# Altium PCB QUADROTOR_PCB.PcbDoc
Units mil, origin at the board's own origin, x right, y up, seen from the top; angles counter-clockwise.
Board outline 1226.03 x 1235.03 mil, 2 copper layers (Top Layer, Bottom Layer); 41 components, 47 nets, 117 pads, 0 vias.
Unrouted connection lines stored in the file: 60.
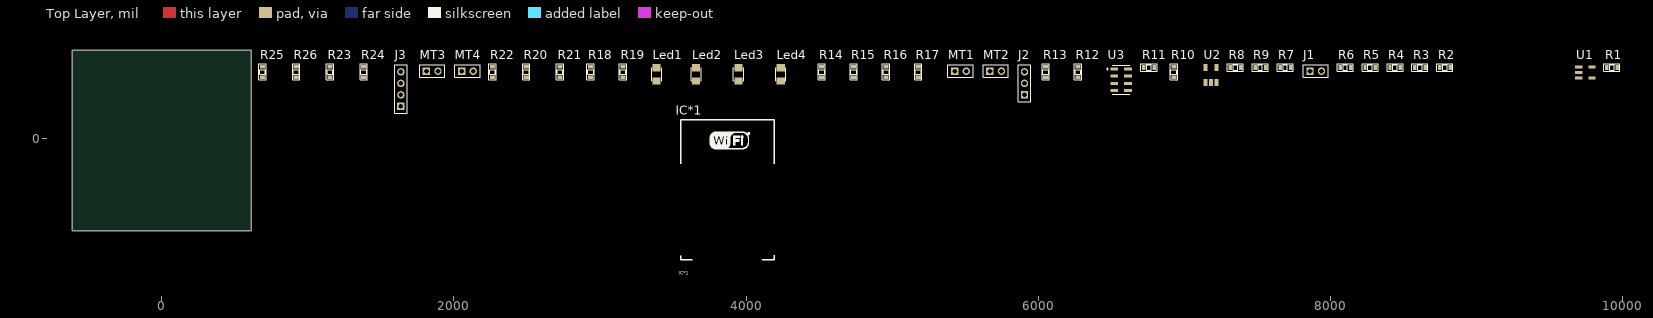
[diagram p0: Top Layer view]
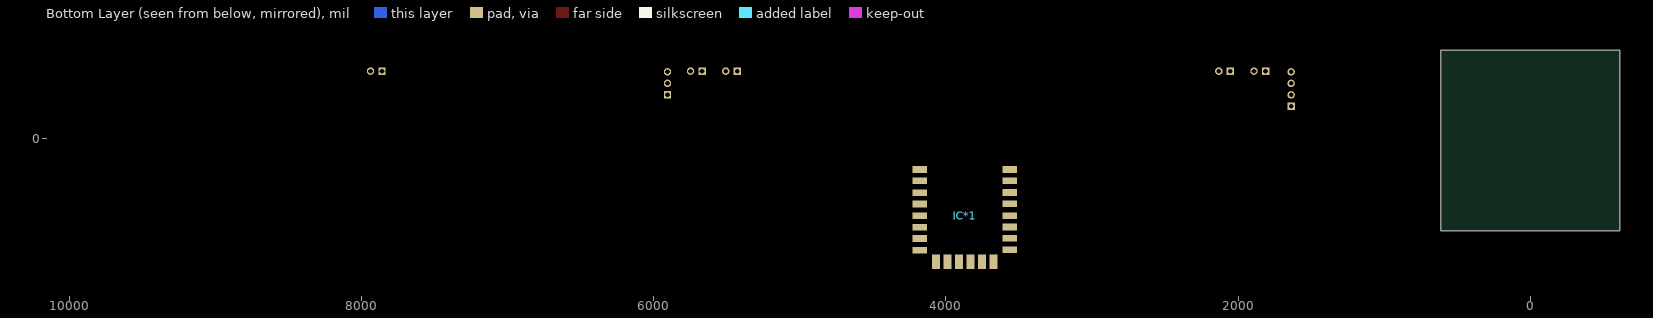
[diagram p1: Bottom Layer view, seen from below]

## Layer stack, top to bottom
Top Solder: solder mask 0.4, Solder Resist, Dk 3.5
Top Layer: signal copper 1.4
Dielectric 1: dielectric 12.6, FR-4, Dk 4.8
Bottom Layer: signal copper 1.4
Bottom Solder: solder mask 0.4, Solder Resist, Dk 3.5

## Board outline
-610.01,-631.01 cw(c-607,-627) -612.01,-627 -612.01,597 cw(c-607,597) -607,602.01 609,602.01 cw(c609,597) 614.01,597 614.01,-628 cw(c609,-628) 609,-633.01 -606,-633.01 cw(c-606,-628)

## Design rules (kind name [scope] priority, off if disabled: settings)
Clearance [All] p1: gap=8
PolygonConnect [All] p1: connectstyle=Relief reliefconductorwidth=10 reliefentries=4 polygonreliefangle="90 Angle" airgapwidth=10
RoomDefinition Sheet1 [InComponentClass('Sheet1')] p1: confinementstyle=ConfineIn formatcopy=TRUE lockcomponents=FALSE outline 659,-578 9986,-578 9986,615 659,615
RoutingVias [All] p1: holewidth=10 width=20 viastyle="Through Hole" minholewidth=10 minwidth=20 maxholewidth=10 maxwidth=20
SolderMaskExpansion [All] p1: expansion=4
Width [All] p1: maxlimit=25 minlimit=10 preferedwidth=16
30 further rules are at their usual default settings.

## Components (designator, comment, footprint, x,y, rotation, side; value= is the part's Value field where it differs from the comment)
IC*1 "ESP8266 ESP-12-E" "ESP8266 ESP-12-E" 4217,-861 r0 top
J1 "Pin3.7V" 62000211121 7898,458 r0 top
J2 "UART" 62000311121 5905,375 r90 top
J3 "ICSP" 62000411121 1638,335 r90 top
Led1 "LED" LED-0805-Red 3388,391 r90 top
Led2 "LED" LED-0805-Red 3658,391 r90 top
Led3 "LED" LED-0805-Red 3948,391 r90 top
Led4 "LED" LED-0805-Red 4237,391 r90 top
MT1 "Coreless820" 62000211121 5467,458 r0 top
MT2 "Coreless820" 62000211121 5708,458 r0 top
MT3 "Coreless820" 62000211121 1852,458 r0 top
MT4 "Coreless820" 62000211121 2093,458 r0 top
R1 "33k/0603" RES-SMD-0603 9924,483 r0 top
R2 "10k/0603" RES-SMD-0603 8782,483 r0 top
R3 "10k/0603" RES-SMD-0603 8611,483 r0 top
R4 "10k/0603" RES-SMD-0603 8441,483 r0 top
R5 "33k/0603" RES-SMD-0603 8270,483 r0 top
R6 "10k/0603" RES-SMD-0603 8100,483 r0 top
R7 "10k/0603" RES-SMD-0603 7689,483 r0 top
R8 "4.7k/0603" RES-SMD-0603 7348,483 r0 top
R9 "4.7k/0603" RES-SMD-0603 7518,483 r0 top
R10 "33k/0603" RES-SMD-0603 6927,453 r90 top
R11 "4.7k/0603" RES-SMD-0603 6757,483 r0 top
R12 "1k/0603" RES-SMD-0603 6271,453 r90 top
R13 "100k" RES-SMD-0603 6050,453 r90 top
R14 "1k" RES-SMD-0603 4517,453 r90 top
R15 "1k" RES-SMD-0603 4737,453 r90 top
R16 "1k" RES-SMD-0603 4958,453 r90 top
R17 "1k" RES-SMD-0603 5178,453 r90 top
R18 "100/0603" RES-SMD-0603 2936,453 r90 top
R19 "100/0603" RES-SMD-0603 3157,453 r90 top
R20 "33k/0603" RES-SMD-0603 2495,453 r90 top
R21 "33k/0603" RES-SMD-0603 2726,453 r90 top
R22 "10k" RES-SMD-0603 2265,453 r90 top
R23 "100/0603" RES-SMD-0603 1152,453 r90 top
R24 "100/0603" RES-SMD-0603 1383,453 r90 top
R25 "33k/0603" RES-SMD-0603 691,453 r90 top
R26 "33k/0603" RES-SMD-0603 922,453 r90 top
U1 "LM27313XMF" SOT95P285X120-5N 9743,449 r0 top
U2 "MIC5205/SPX3819M5" SOT-23-5 7180,431 r0 top
U3 "MS561101BA03-50" SON125P500X300X100-8N 6566,399 r0 top

## Footprints (in the part's own frame and the unit in brackets; to place one, negate y for a bottom-side part, rotate by r counter-clockwise, add the part's x,y. Pads: shape width x height; smd on the part's side, far side on the other; paste and mask are expansions set on the pad)
62000211121 [mm] "Pin Header, pitch 2.00 mm, THT, Vertical, single row, 2p"
  rect 1.3x1.3 hole 0.8: 1(-1,0)
  round 1.3 hole 0.8: 2(1,0)
  silkscreen extent -2.2,-1.07 2.2,1.07, body extent -2,-1 2,1, height 6.05
62000311121 [mm] "Pin Header, pitch 2.00 mm, THT, Vertical, single row, 3p"
  rect 1.3x1.3 hole 0.8: 1(-2,0)
  round 1.3 hole 0.8: 2(0,0) 3(2,0)
  silkscreen extent -3.2,-1.07 3.2,1.07, body extent -3,-1 3,1, height 6.05
62000411121 [mm] "Pin Header, pitch 2.00 mm, THT, Vertical, single row, 4p"
  rect 1.3x1.3 hole 0.8: 1(-3,0)
  round 1.3 hole 0.8: 2(-1,0) 3(1,0) 4(3,0)
  silkscreen extent -4.2,-1.07 4.2,1.07, body extent -4,-1 4,1, height 6.05
"ESP8266 ESP-12-E" [mil] "ESP8266 ESP-12-E"
  rect 100x45 smd far side: 1(-39,646) 2(-39,568) 3(-39,488) 4(-39,410) 5(-39,331) 6(-38,252) 7(-38,174) 8(-38,95) 15(-653,96) 16(-653,175) 17(-653,253) 18(-653,331) 19(-653,411) 20(-653,489) 21(-653,568) 22(-653,646)
  rect 55x100 smd far side: 9(-149,14) 10(-229,14) 11(-307,14) 12(-387,14) 13(-465,14) 14(-543,14)
  silkscreen extent -665,30 -25,985, body extent -661,37 -31,981, height 86
LED-0805-Red [mil]
  rect 50x55 smd: 1(0,0) 2(90,0)
  silkscreen extent 0,-35 90,35, body extent 5,-25 85,25, height 43
RES-SMD-0603 [mm]
  rect 0.6x0.9 smd: 1(-0.889,0) 2(0.927,0)
  silkscreen extent -1.4,-0.64 1.4,0.64, body extent -0.8,-0.4 0.8,0.4, height 0.43
SON125P500X300X100-8N [mm]
  rect 1.31x0.53 smd: 1(-1.2,1.875) 2(-1.2,0.625) 3(-1.2,-0.625) 4(-1.2,-1.875) 5(1.2,-1.875) 6(1.2,-0.625) 7(1.2,0.625) 8(1.2,1.875)
  silkscreen extent -2.48,-2.5 1.5,2.5
SOT95P285X120-5N [mil]
  rect 50x22 smd: 1(-45,38) 2(-45,0) 3(-45,-38) 4(45,-38) 5(45,38)
SOT-23-5 [mm]
  rect 0.69x1.2 smd: 1(-0.95,-1.3) 2(0,-1.3) 3(0.95,-1.3) 4(0.95,1.3) 5(-0.95,1.3)

## Part data
J1 MT1 MT2 MT3 MT4: library part 62000211121, "WR-PHD Pin Header, THT, pitch 2mm, Single Row, Vertical, 2pin"
J2: library part 62000311121, "WR-PHD Pin Header, THT, pitch 2mm, Single Row, Vertical, 3pin"
J3: library part 62000411121, "WR-PHD Pin Header, THT, pitch 2mm, Single Row, Vertical, 4pin"
Led1 Led2 Led3 Led4: library part "LED SMD", "LED SMD0805                Addr:Linhkien69.vn"
R1 R5 R10 R18 R19 R20 R21 R23 R24 R25 R26: library part Res-SMD, "Resistor SMD 33k/0603, Addr:Linhkien69.vn"
R2: library part Res-SMD, "Resistor SMD 10k/0603, Addr:Linhkien69.vn"
R3 R4 R6 R7 R8 R9 R11: library part Res-SMD, "Resistor SMD 4.7k/0603, Addr:Linhkien69.vn"
R12 R14 R15 R16 R17: library part Res-SMD, "Resistor SMD 1k/0603, Addr:Linhkien69.vn"
R13 R22: library part Res-SMD, "Resistor"
U1: "Boost SMD/SOT95,  Addr:Banlinhkien.vn"
U2: library part PMIC-MIC5205-3.3YMSTR(SOT23-5), "3.3V SMD/SOT23,    Addr:Banlinhkien.vn"
U3: "Addr:Banlinhkien.vn"

## Nets (pads, with @x,y where several pads share a name; then routed paths per layer and width w, separated by ;. In a path a pad name is that pad's centre, name@x,y a point inside that pad or via, vN(x,y) a via of type N, cw(c..) or ccw(c..) an arc to the next point about the centre after c; other vN are vias at no path point)
3V3: IC*1.8 J3.2 R3.2 R4.2 R6.1 R8.2 R9.2 R11.2 R22.2 U2.5 U3.1 U3.2
5V: R1.1 U2.1 U2.3
FB: R1.2 R2.1 U1.3
GND: IC*1.15 J1.2 J2.3 J3.1 Led1.2 Led2.2 Led3.2 Led4.2 R2.2 R7.1 R10.2 R12.2 R13.2 R20.2 R21.2 R25.2 R26.2 U1.2 U2.2 U3.3 U3.4 U3.5
LED1: R17.2
LED2: R16.2
LED3: R15.2
LED4: R14.2
MPU_INT: R11.1
NetC1_1: 
NetC11_2: 
NetD1_A: U1.1
NetIC1_11: R12.1
NetIC*1_1: IC*1.1 R3.1
NetIC*1_3: IC*1.3 R4.1
NetIC*1_16: IC*1.16 R7.2
NetIC*1_18: IC*1.18 R6.2
NetLed1_1: Led1.1 R14.1
NetLed2_1: Led2.1 R15.1
NetLed3_1: Led3.1 R16.1
NetLed4_1: Led4.1 R17.1
NetMT1_1: MT1.1
NetMT2_1: MT2.1
NetMT3_1: MT3.1
NetMT4_1: MT4.1
NetQ1_1: R18.2 R20.1
NetQ2_1: R19.2 R21.1
NetQ3_1: R23.2 R25.1
NetQ4_1: R24.2 R26.1
NetR13_1: R13.1
OSC1: 
OSC2: 
PWM1: R23.1
PWM2: R19.1
PWM3: R18.1
PWM4: R24.1
RST: R22.1
RX: IC*1.22 J2.1
SCL: R9.1 U3.8
SDA: R8.1 U3.7
SWCLK: J3.4
SWDIO: J3.3
TX: IC*1.21 J2.2
V_BAT: R5.1 R10.1
VCC: J1.1 MT1.2 MT2.2 MT3.2 MT4.2 R5.2 U1.4 U1.5
XCL: 
XDA: 
pads on no net: IC*1.2 IC*1.4 IC*1.5 IC*1.6 IC*1.7 IC*1.9 IC*1.10 IC*1.11 IC*1.12 IC*1.13 IC*1.14 IC*1.17 IC*1.19 IC*1.20 U2.4 U3.6

## Text inside footprints (layer, text, board x,y; h text height)
IC*1: Mechanical 13 "ANTENNA AREA" at 3564.04,99.59 h10; Mechanical 13 "CUTOUT POLYGON" at 3564.04,79.59 h10